# KiCad board SparkPNT_GPSDO.kicad_pcb (continued)
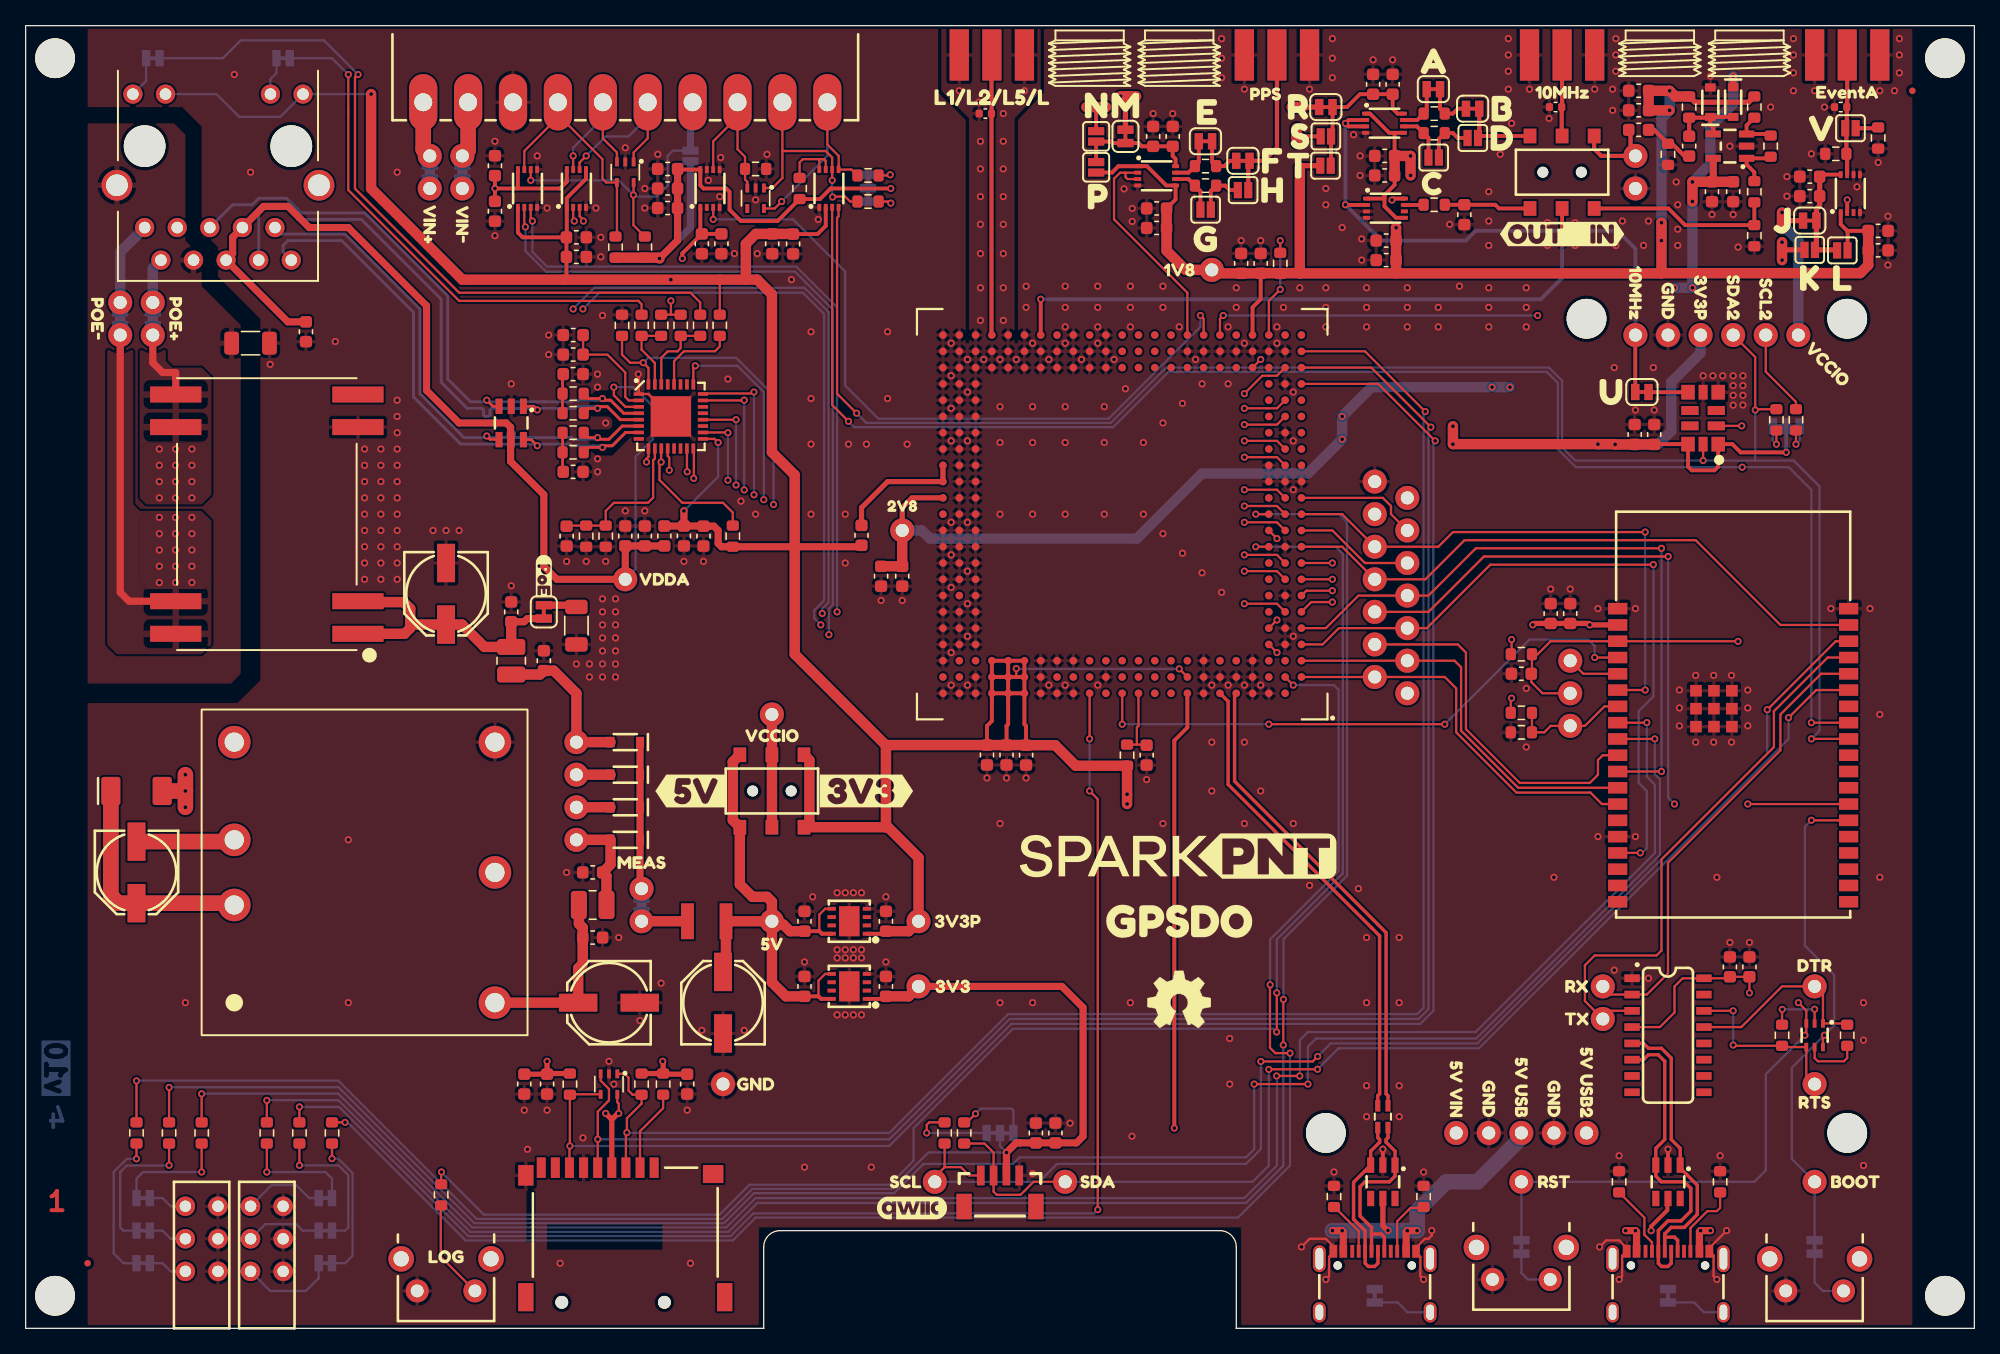
[diagram p0: board, top side]
## Nets (continued)
VIN_DC: C34.1 D9.A L3.2 TP2.1
VIN_POE: C38.1 D10.A L4.2 TP3.1
10MHz: TP33.1 U14.2 U15.2 U15.3 U.1.2
10MHz_1.8V: C55.1 R30.1 SW5.3
10MHz_IN: C75.1 SW5.4 TP42.1
10MHz_IN_1.8V: R58.1 R59.2 SW5.1
10MHz_IN_OUT: D17.2 J8.1 SW5.5
10MHz_OUT: B.1.2 D.1.2 SW5.6
CH340-~{DTR}: Q1.1 R2.2 TP38.1 U3.13
CH340-~{RTS}: Q1.4 R3.2 TP39.1 U3.14
DC_IN+: J9.10 JP2.1
DC_IN-: J9.9 JP3.1
ESP0/BOOT: JP11.2 Q1.6 TP36.1 U1.25
ESP1/CH340-RX: TP35.1 U1.35 U3.3
ESP3/CH340-TX: TP34.1 U1.34 U3.2
ESP4/MTX4: TP11.1 U1.26 U2.E3
ESP13/MTX1: TP13.1 U1.16 U2.D1
ESP14/MRX1: TP12.1 U1.13 U2.B1
ESP18/SDA2: R31.2 TP28.1 U1.30 U13.10 U18.4
ESP19/SCL2: R32.2 TP27.1 U1.31 U13.2 U18.3
ESP21/SDA: J7.3 R4.1 TP26.1 U1.33
ESP22/SCL: J7.4 R6.1 TP25.1 U1.36
ESP23/MRX3: TP16.1 U1.37 U2.K1
ESP25/MRX4: TP10.1 U1.10 U2.D3
ESP26/MCTS1: TP15.1 U1.11 U2.E1
ESP27/MRTS1: TP14.1 U1.12 U2.C1
ESP32/LED_ERROR: R12.2 U1.8
ESP33/LED_LOCK: R13.2 U1.9
ESP34/MTX3: TP17.1 U1.6 U2.M1
ESP35/DeviceSense: R7.2 R8.1 TP24.1 U1.7
ESP36/MRDY: U1.4 U2.A12
ESP_DM: D3.3 J4.A7 J4.B7 U3.6
ESP_DP: D3.1 J4.A6 J4.B6 U3.5
ESP_~{RST}: C8.1 JP10.2 Q1.3 R1.2 TP1.1 TP37.1 U1.3
ETH_CLK: U2.AA2 U4.9
ETH_MDC: U2.V2 U4.12
ETH_MDIO: R33.2 U2.W2 U4.11
ETH_RXD0: U2.R2 U4.16
ETH_RXD1: U2.T2 U4.15
ETH_RXDV: U2.N2 U4.18
ETH_RXER: U2.M2 U4.20
ETH_TXD0: U2.J2 U4.24
ETH_TXD1: U2.H2 U4.25
ETH_TXEN: U2.L2 U4.23
ETH_~{RST}: R24.1 U2.F2 U4.32
LED_LOG: R42.2 U2.B2
LED_PVT: R40.2 U2.A14
LED_RTK: R39.2 U2.M3
LINK: R18.1 R34.2 U4.30
LOG_BTN: R37.1 U2.K3
MCTS2: U2.J1 U9.3
MCTS2_I: D13.5 J9.4 JP15.1 R16.2 U9.6
MEventA_1V8: U2.AC6 U10.2
MEventB_1V8: U2.AC7 U12.3
MEventB_I: D14.3 J9.3 R44.1 U12.6
MOSAIC_DM: TR1.2 U2.A6
MOSAIC_DP: TR1.4 U2.A5
MOSAIC_RF_IN: D1.2 J1.1 U2.AC20
MPPS_1V8: U2.AC8 U16.2 U16.3
MRTS2: U2.G1 U8.3
MRTS2_O: D13.1 J9.5 U8.6
MRX2: U2.F1 U9.2
MRX2_I: D13.4 J9.7 R41.2 U9.7
MTX2: U2.H1 U8.2
MTX2_O: D13.3 J9.6 U8.7
POE+: J5.9 JP4.1
POE-: J5.10 JP5.1
RD+: D6.1 J5.3 R22.1 U4.5
RD-: D6.3 J5.6 R21.1 U4.4
REF_IN: SW5.2 U2.AC17
SCL2_IO: D14.1 J9.2 R55.1 U18.6
SD_CLK: D7.3 J6.5 U2.AA1
SD_CMD: D7.1 J6.3 R28.1 U2.AB1
SD_DATA: D7.4 J6.7 R29.1 U2.Y1
SDA2_IO: D14.5 J9.1 R54.1 U18.5
SPEED: R17.1 R35.2 U4.31
TD+: D6.6 J5.1 R19.2 U4.7
TD-: D6.4 J5.2 R20.2 U4.6
VANT: L1.2 U2.P23 U2.R23
VUSB: D2.5 D4.A J2.VBUS TP8.1 TP46.1 U2.A8
VUSB2: D3.5 D5.A J4.VBUS TP9.1 TP47.1
Net-(A.1-A): A.1.1 R46.2 U15.7
Net-(A.1-B): A.1.2 B.1.1 R46.1
Net-(C11-Pad2): C11.2 R19.1 R20.1
Net-(C12-Pad1): C12.1 R21.2 R22.2
Net-(C75-Pad2): C75.2 C76.1 R50.2
Net-(C.1-A): C.1.1 R49.2 U15.6
Net-(C.1-B): C.1.2 D.1.1 R49.1
Net-(D2-I/O1): D2.1 J2.A6 J2.B6 TR1.3
Net-(D2-I/O2): D2.3 J2.A7 J2.B7 TR1.1
Net-(D15-A2): D15.2 J3.1 R43.1 U10.7 V.1.2
Net-(E.1-A): E.1.1 R45.2 U16.7
Net-(E.1-B): E.1.2 F.1.1 R45.1
Net-(F.1-B): F.1.2 H.1.2 J12.1
Net-(G.1-A): G.1.1 R48.2 U16.6
Net-(G.1-B): G.1.2 H.1.1 R48.1
Net-(J2-CC1): J2.A5 R9.2
Net-(J2-CC2): J2.B5 R10.2
Net-(J2-SHIELD): J2.S JP8.2
Net-(J4-CC1): J4.A5 R15.2
Net-(J4-CC2): J4.B5 R14.2
Net-(J4-SHIELD): J4.S JP9.2
Net-(J5-GRN-): J5.14 JP13.1
Net-(J5-YLW-): J5.12 JP12.1
Net-(J6-DAT3/CD): J6.2 R27.1
Net-(J.1-A): C61.1 C63.1 J.1.1 K.1.1 L.1.1 U10.8
Net-(JP1-A): JP1.1 R6.2
Net-(JP1-B): JP1.3 R4.2
Net-(JP2-B): D8.A JP2.2
Net-(JP3-B): C35.2 JP3.2 U6.2
Net-(JP6-A): D4.C D5.C D9.C D10.C JP6.1
Net-(JP6-B): F1.2 JP6.2
Net-(JP7-A): JP7.1 R36.2
Net-(JP7-B): C36.1 C37.1 JP7.2 L4.1 U7.1 U7.2
Net-(JP10-A): JP10.1 SW1.2
Net-(JP11-A): JP11.1 SW2.2
Net-(JP12-B): JP12.2 R17.2
Net-(JP13-B): JP13.2 R18.2
Net-(JP14-A): JP14.1 R32.1
Net-(JP14-B): JP14.3 R31.1
Net-(JP16-A): JP16.1 R12.1
Net-(JP16-B): D11.ANODE_1 JP16.2
Net-(JP17-A): JP17.1 R13.1
Net-(JP17-B): D11.ANODE_2 JP17.2
Net-(JP18-A): JP18.1 R38.1
Net-(JP18-B): D11.ANODE_3 JP18.2
Net-(JP19-A): JP19.1 R39.1
Net-(JP19-B): D12.ANODE_1 JP19.2
Net-(JP20-A): JP20.1 R40.1
Net-(JP20-B): D12.ANODE_2 JP20.2
Net-(JP21-A): JP21.1 R42.1
Net-(JP21-B): D12.ANODE_3 JP21.2
Net-(JP22-A): JP22.1 R55.2
Net-(JP22-B): JP22.3 R54.2
Net-(M.1-A): C65.1 C67.1 M.1.1 N.1.1 P.1.1 U16.8
Net-(Q1A-B1): Q1.2 R3.1
Net-(Q1B-B2): Q1.5 R2.1
Net-(R37-Pad2): R37.2 SW3.2
Net-(R52-Pad1): R52.1 R58.2 U17.1
Net-(R.1-A): C49.1 C51.1 R.1.1 S.1.1 T.1.1 U15.8
Net-(U1-IA39): TP43.1 U1.5
Net-(U2-COM3_CTS): TP19.1 U2.N1
Net-(U2-COM3_RTS): TP18.1 U2.L1
Net-(U2-GPIO_1): TP20.1 U2.AA4
Net-(U2-GPIO_2): TP21.1 U2.L3
Net-(U2-SYNC): R5.1 U2.AC3
Net-(U2-~{RESET}): C3.2 R11.1 U2.A11
Net-(U4-COL/CONFIG0): R23.1 U4.28
Net-(U4-REXT): C15.1 R25.1 R26.1 U4.10
Net-(U4-VDDP_1.8): C13.1 C14.1 U4.2
Net-(U6-VIN+): C35.1 D8.C U6.1
Net-(U6-VOUT+): C32.1 C33.1 L3.1 TP45.1 U6.6
Net-(U14-1B): R30.2 U14.7
Net-(U17-+): R52.2 R57.2 U17.3
Net-(U17--): C76.2 D16.A D18.C R56.2 U17.4
Net-(U18-EN): R53.1 U18.7 U18.8
Net-(U.1-A): U13.6 U.1.1
Net-(V.1-A): R47.2 V.1.1

Pads without a net: D2 4 6; D3 4 6; D14 4; J2 A8 B8 NC1 NC2 NC3; J4 A8 B8 NC1 NC2 NC3; J5 8; J6 1 8 9 11 12 13; J7 NC1 NC2; SW1 M1 M2; SW2 M1 M2; SW3 M1 M2; U1 14 17 18 19 20 21 22 23 24 27 28 29 32; U2 A2 A9 A10 A13 AA3 AA5 AA6 AA7 AA8 AA9 AA10 AA11 AA12 AB9 AB10 AB11 AB12 AC1 AC2 AC5 AC9 AC10 AC11 AC12 AC14 AC16 B3 B9 B10 B11 B12 B14 B15 B16 B22 B23 C2 C3 C5 C6 C8 C9 C10 C11 C12 C13 C14 C21 C22 F3 G3 G22 H3 J3 M23 N3 R1 T1 T3 U1 U3 V1 V3 W1 W3 Y3; U3 7 8 9 10 11 12 15; U4 8 13 14 19 21 22 26 27 29; U5 2 3 6 7; U6 3 5; U7 4; U10 3; U11 2 3 6 7; U12 2; U13 3 7 8; U14 6

## Via types
v1: diameter 0.56, hole 0.3, Top to Bottom, 692 vias

## Routing (per net, layer and track width the routed paths; a pad name or vN(x,y) marks a point on that pad's centre or on a via; arc(x,y) is an arc through that point)
1.8V: length 194.1
  Top w0.305: 52.71,85.36 54.23,85.36 ; 52.71,85.36 52.59,85.47 U12.1 ; 52.71,85.36 51.19,83.83 v1(51.19,83.44) ; U14.8 106.62,88.11 v1(106.51,88) ; 92.84,82.55 TP22.1 ; P.1.2 84.69,90.14 85.18,90.64 U16.1 87.02,90.64 87.04,90.65 87.4,90.65 88.91,89.14 U16.5 89.64,88.05 C66.1 ; 141.99,85.6 C62.1 ; 141.99,85.6 141.48,86.11 U10.1 ; 141.99,85.6 142.02,85.57 L.1.2 ; C19.1 96.27,80.26 95.64,79.63 U2.AC4
  Top w0.406: 99.32,90.55 99.44,90.68 T.1.2 ; R57.1 134.31,95.63 130.12,95.63 R56.1
  Top w0.813: 106.81,82.28 99.34,82.28 99.32,82.3 ; 106.81,82.28 127.49,82.28 127.51,82.3 ; 106.81,82.28 106.82,82.29 C68.1 C52.1 v1(106.82,85.84) 106.81,85.85 ; 99.32,82.3 97.86,82.3 R5.2 97.73,82.3 96.28,82.3 C19.1 C18.1 92.73,82.28 TP22.1 90.43,82.55 88.94,84.04 C64.1 C66.1 ; 99.32,82.3 99.32,90.55 ; 127.51,82.3 143.01,82.3 143.63,82.92 C59.1 C62.1 ; 127.51,82.3 v1(127.51,86.23) ; v1(128.15,95) C72.1 C69.1 v1(128.15,96.52) 128.59,96.08 R56.1
  In2.Cu w0.305: v1(51.19,83.44) 52.07,82.55 56.77,82.55 58.3,81.03 58.3,70.87 59.31,69.85 86.62,69.85 92.46,75.69 TP22.1
  In2.Cu w0.813: v1(106.82,85.84) 106.51,86.16 v1(106.51,88)
  Bottom w0.813: v1(128.15,96.52) v1(128.15,95) 127.51,94.36 v1(127.51,86.23) v1(127.51,84.84)
2.8V: length 177.3
  Top w0.305: N.1.2 83.44,95.25 ; S.1.2 99.06,92.96
  Top w0.406: U2.N23 69.09,64.77 68.33,64.01 TP41.1 ; v1(136.91,84.71) 136.91,84.11 K.1.2
  Top w0.559: U17.5 131.55,89.52 C70.1 ; v1(133.1,97.66) D16.C
  Top w0.813: C73.1 C74.1 TP41.1 ; v1(82.68,95.25) v1(84.21,95.25) ; C71.1 C70.1 129.94,89.42 v1(129.93,89.41) v1(129.93,87.88) ; v1(136.91,84.71) v1(136.91,83.31) ; v1(99.06,93.6) v1(99.06,92.46)
  In2.Cu w0.813: v1(136.91,84.71) v1(136.91,83.31) 135.89,82.3 131.07,82.3 v1(129.93,81.15) v1(128.53,81.15) 127.38,82.3 116.85,82.3 115.7,81.15 v1(115.7,73.41) v1(114.3,73.41) ; v1(102.62,69.34) v1(102.62,71.12) 102.62,83.06 99.06,86.61 v1(99.06,92.46) v1(99.06,93.6) 85.98,93.6 84.33,95.25 83.44,95.25 ; 83.44,95.25 v1(84.21,95.25) ; 83.44,95.25 v1(82.68,95.25)
  Bottom w0.813: v1(133.1,97.66) 133.1,95.5 131.32,93.73 131.32,90.81 v1(129.93,89.41) v1(129.93,81.15) v1(128.53,81.15) ; v1(115.7,73.41) 104.91,73.41 v1(102.62,71.12) v1(102.62,69.34) 99.95,66.68 91.7,66.68 86.62,61.59 70.49,61.59 69.85,62.23 TP41.1
3.3V: length 235.9
  Top w0.178: R1.1 115.83,52.64 v1(115.83,53.72) ; v1(115.83,49.15) 115.77,49.09 R7.1 ; R38.2 v1(8.64,19.3) ; U3.4 127.39,23.5 128.53,24.64 128.53,26.67 129.16,27.31 U3.16 132.73,27.31 132.85,27.42 134.37,27.42 v1(134.37,26.16)
  Top w0.305: 67.06,25.9 66.86,25.7 U11.1
  Top w0.406: U1.2 121.93,54.86 v1(121.92,54.86) 121.81,54.98 C1.1 C2.1 117.59,54.98 v1(117.48,54.86)
  Top w0.559: TP5.1 80.78,26.67 82.43,25.02 82.43,14.99 81.91,14.47 C60.1 C54.1 77.49,14.47 77.47,14.48 77.22,14.48 v1(76.46,13.72) 76.45,13.71 J7.2
  Top w0.813: 67.06,25.9 68.83,25.9 TP5.1
  In2.Cu w0.813: 115.83,30.23 114.05,28.45 71.38,28.45 TP5.1 ; 115.83,30.23 130.31,30.23 v1(134.37,26.16) ; 115.83,30.23 v1(115.83,53.72) 116.97,54.86 v1(117.48,54.86) v1(121.92,54.86)
  Bottom w0.178: JP1.2 75.95,14.22 v1(76.46,13.72) 70.36,13.72 67.52,10.87 56.64,10.87 54.3,8.53 35.16,8.53 24.37,19.32 8.65,19.32 v1(8.64,19.3)
3.3V_P: length 444.3
  Top w0.178: D7.5 46.12,17.64 46.23,17.53 v1(46.23,16.76) ; 42.16,87.4 U8.1 ; 50.3,79.06 R34.1 ; 50.3,79.06 R35.1 ; 50.3,79.06 v1(50.3,80.14) ; 126.97,68.96 C48.1 ; R23.2 54.11,81.79 ; 49.69,20.8 v1(49.66,20.83) ; v1(77.22,51.46) 77.22,50.8 ; v1(53.98,69.09) 53.7,69.37 U4.17 ; 42.16,82.03 41.91,81.79 ; U2.B8 v1(89.92,51.44) ; 49.74,19.83 R27.2
  Top w0.305: U2.B19 U2.B20 ; U2.B19 U2.A19 ; U2.B19 U2.C19 ; U2.B19 U2.B18 ; U2.B20 U2.C20 U2.C19 ; U2.B20 U2.A20 ; U2.A18 U2.A19 ; U2.A18 U2.B18 ; U2.A18 77.86,47.12 77.98,46.99 C29.1 ; U2.A19 U2.A20 ; U2.A19 76.59,47.12 76.46,46.99 C17.1 ; U9.1 38.37,85.46 38.74,85.09 C39.1 ; 106.68,93.24 106.71,93.22 C50.1 ; 106.68,93.24 U15.5 ; 106.68,93.24 106.29,93.24 104.79,94.74 U15.1 ; 105.92,88.14 105.9,88.11 U14.1 ; 105.92,88.14 105.92,87.5 106.81,86.61 U14.5 ; 105.92,88.14 105.92,88.39 106.71,89.18 C24.1 ; U18.2 62.37,85.98 61.73,85.34 C57.1 ; U2.B18 U2.C18 U2.C19 ; U8.5 43.68,89.65 42.18,88.15 U8.1 42.18,85.12 C39.1 ; C39.1 C40.1 42.16,82.03 ; 126.97,68.96 U13.9 129.58,67.21 129.87,66.92 131.65,66.92 131.93,67.21 U13.1 133.04,68.96 133.68,68.32 v1(137.23,68.32) ; U2.A20 75.31,47.37 74.93,46.99 C16.1 ; 67.06,30.98 66.86,30.78 U5.1
  Top w0.406: 49.69,20.8 R27.2 R28.2 ; v1(46.23,16.76) 46.16,16.76 45.69,16.29 ; R29.2 40.69,19.88 C30.1 ; C28.1 C30.1 ; C30.1 v1(40.64,20.83) ; C31.1 49.74,19.83 ; 45.69,16.29 v1(45.22,16.76) ; 45.69,16.29 J6.4
  Top w0.559: C23.1 52.82,62.57 C25.1 53.65,62.56 53.98,62.23 53.98,61.21 54.23,60.96 R33.1 65.04,60.96 L1.1 ; C23.1 L2.2 ; C23.1 v1(51.31,63.75)
  Top w0.813: 67.06,30.98 68.83,30.98 TP7.1 69.6,36.7 67.22,39.09 67.03,39.09 ; v1(107.95,89.92) v1(107.95,91.44) C50.1 C24.1 ; 56.14,81.79 56.14,84.58 56.91,85.36 59.81,85.36 C57.1 ; 56.14,81.79 34.04,81.79 26.93,88.9 v1(26.93,96.27) ; 56.14,81.79 57.03,81.79 58.17,80.65 58.17,68.33 59.95,66.55 59.95,52.58 67.03,45.49 67.06,45.49 ; C48.1 C47.1 v1(123.9,68.94) ; 67.03,39.09 67.06,39.12 67.06,45.49 ; 67.03,39.09 SW4.1 61.09,39.51 61.09,44.31 SW4.4 ; v1(123.9,68.94) 123.88,68.96 v1(122.56,68.96) v1(111.26,68.96) v1(111.26,70.36) ; v1(123.9,68.94) 123.89,68.95 ; 67.06,45.49 C16.1 C17.1 77.97,45.49 C29.1 80.25,45.48 81.86,43.88 R11.2 v1(85.86,41.66) v1(85.86,40.89) ; 129.56,68.94 U13.9
  In2.Cu w0.178: v1(50.3,80.14) v1(50.3,81.79)
  In2.Cu w0.813: v1(107.95,89.92) v1(107.95,91.44) ; v1(107.95,89.92) 107.95,83.69 111.26,80.39 v1(111.26,70.36) v1(111.26,68.96) 111.26,53.09 TP29.1 102.11,43.94 91.57,43.94 88.52,40.89 v1(85.86,40.89) v1(85.86,41.66) ; v1(107.95,89.92) 107.95,89.53 ; v1(40.64,20.83) 44.71,16.76 v1(45.22,16.76) v1(46.23,16.76) 46.99,16.76 49.66,19.43 v1(49.66,20.83) 49.66,24.77 54.61,29.72 59.95,29.72 61.98,31.75 TP7.1
  Bottom w0.178: v1(51.31,63.75) 53.98,66.42 v1(53.98,69.09) ; v1(26.93,96.27) 26.92,96.26 J5.11 19.85,94.49 16.64,94.49 14.87,96.26 J5.13 ; v1(89.92,51.44) 77.25,51.44 v1(77.22,51.46)
  Bottom w0.305: v1(137.23,68.32) JP14.2
  Bottom w0.813: TP31.1 130.56,76.07 128.27,73.79 128.27,69.98 127.24,68.94 v1(123.9,68.94) 122.58,68.94 v1(122.56,68.96)
5V: length 42.7
  Top w0.178: 61.87,30.98 61.87,32.27 62.32,32.73 U5.5 ; U11.5 62.32,27.65 61.8,27.13 61.8,25.9
  Top w0.305: 60.71,25.9 61.8,25.9 62,25.7 U11.8 ; U5.8 62.07,30.78 61.87,30.98 60.71,30.98
  Top w0.813: TP4.1 F1.1 54.59,28.03 C6.1 ; TP4.1 58.17,26.99 59.26,25.9 60.71,25.9 ; TP4.1 58.17,33.27 57.79,33.66 56.65,33.66 55.67,34.63 SW4.3 55.12,39.63 55.12,44.19 SW4.6 ; TP4.1 58.42,31.5 59.06,31.5 59.58,30.98 60.71,30.98
GND: length 27.7
  Top w0.178: v1(131.83,3.81) 131.57,4.07 131.57,5.68 J4.GND 131.25,6.27 v1(132.59,7.62) ; v1(47.76,74.42) 47.8,74.38 U4.1 48.55,72.87 U4.EP ; v1(124.21,3.81) 124.44,4.04 124.44,5.66 J4.GND 124.8,6.27 124.21,6.86 123.19,6.86 v1(122.69,6.35) ; v1(109.61,7.62) 109.61,7.24 109.35,6.99 109.07,6.99 108.39,6.3 108.39,5.92 108.72,5.59 108.72,4.06 v1(108.97,3.81) ; v1(99.44,6.35) 100.08,6.99 101.35,6.99 101.94,6.4 J2.GND 101.94,5.92 101.6,5.59 101.6,4.06 v1(101.35,3.81)
  Top w0.305: D3.2 v1(128.02,13.97) ; D2.2 v1(105.8,13.97)
  vias: v1(12.45,25.4) v1(16.26,97.79) v1(17.53,90.17) v1(19.05,75.18) v1(24.13,76.96) v1(25.15,38.1) v1(25.15,25.4) v1(26.42,68.58) v1(26.42,67.31) v1(26.42,66.04) v1(26.42,64.77) v1(26.42,63.5) v1(26.42,62.23) v1(26.42,60.96) v1(26.42,59.69) v1(26.42,58.42) v1(27.69,68.58) v1(27.69,67.31) v1(27.69,66.04) v1(27.69,64.77) v1(27.69,63.5) v1(27.69,62.23) v1(27.69,60.96) v1(27.69,59.69) v1(27.69,58.42) v1(28.96,90.17) v1(28.96,72.39) v1(28.96,71.12) v1(28.96,69.85) v1(28.96,68.58) v1(28.96,67.31) v1(28.96,66.04) v1(28.96,64.77) v1(28.96,63.5) v1(28.96,62.23) v1(28.96,60.96) v1(28.96,59.69) v1(28.96,58.42) v1(31.75,62.23) v1(32.77,62.23) v1(33.79,62.23) v1(36.58,92.58) v1(36.58,85.22) v1(37.85,73.66) v1(37.85,57.91) v1(38.87,17.02) v1(39.12,13.97) v1(39.88,91.44) v1(40.64,87.38) v1(40.64,17.02) v1(40.77,77.47) v1(40.77,75.95) v1(41.66,5.08) v1(42.17,59.82) v1(42.17,35.56) v1(42.93,51.82) v1(43.44,14.86) v1(43.69,59.82) v1(43.95,51.82) v1(43.95,50.8) v1(44.45,87.38) v1(44.58,74.42) v1(44.58,73.41) v1(44.58,67.82) v1(44.58,66.8) v1(44.84,85.09) v1(44.84,83.57) v1(44.96,78.99) v1(44.96,56.9) v1(44.96,55.88) v1(44.96,54.86) v1(44.96,53.85) v1(44.96,52.83) v1(44.96,51.82) v1(44.96,50.8) v1(45.22,70.61) v1(45.22,59.82) v1(45.47,20.83) v1(45.85,19.05) v1(45.98,56.9) v1(45.98,55.88) v1(45.98,54.86) v1(45.98,53.85) v1(45.98,52.83) v1(45.98,51.82) v1(45.98,50.8) v1(46.23,30.48) v1(46.74,92.08) v1(46.74,63.75) v1(47.88,24) v1(48.26,88.9) v1(48.26,87.38) v1(48.26,63.75) v1(49.28,91.57) v1(49.53,26.92) v1(51.31,59.82) v1(51.57,17.02) v1(51.82,5.08) v1(52.71,23.24) v1(52.84,59.82) v1(53.22,89.53) v1(54.18,91.31) v1(54.11,88.27) v1(54.74,74.04) v1(55.25,83.82) v1(55.76,64.52) v1(56.01,23.24) v1(56.9,88.01) v1(56.9,63.5) v1(57.03,83.82) v1(57.79,91.57) v1(59.69,81.79) v1(60.71,28.58) v1(60.71,12.57) v1(61.22,77.72) v1(61.22,72.52) v1(61.22,68.96) v1(61.22,63.5) v1(61.34,33.66) v1(61.78,86.49) v1(63.25,33.97) v1(63.25,29.53) v1(63.25,28.89) v1(63.25,24.45) v1(63.89,63.5) v1(63.89,59.69) v1(63.89,33.97) v1(63.89,29.53) v1(63.89,28.89) v1(63.89,24.45) v1(64.14,68.96) v1(64.52,33.97) v1(64.52,29.53) v1(64.52,28.89) v1(64.52,24.45) v1(65.16,33.97) v1(65.16,29.53) v1(65.16,28.89) v1(65.16,24.45) v1(65.54,68.96) v1(65.92,12.57) v1(66.68,56.77) v1(67.06,33.66) v1(67.06,28.58) v1(67.19,77.72) v1(67.19,72.52) v1(68.33,56.77) v1(68.71,68.96) v1(72.14,76.84) v1(72.14,74.3) v1(72.14,71.76) v1(72.14,69.22) v1(72.14,62.87) v1(72.14,60.33) v1(72.14,57.79) v1(72.14,52.71) v1(72.14,50.17) v1(72.78,96.52) v1(73.41,75.57) v1(73.41,73.03) v1(73.41,69.22) v1(73.41,62.87) v1(73.41,59.06) v1(73.41,56.52) v1(73.41,53.98) v1(73.41,50.17) v1(74.3,95.63) v1(74.43,92.58) v1(74.43,90.42) v1(74.43,88.27) v1(74.43,86.11) v1(74.43,83.82) v1(74.43,81.15) v1(74.43,78.61) v1(74.68,75.57) v1(74.93,42.93) v1(75.95,75.57) v1(75.95,71.88) v1(75.95,69.09) v1(75.95,63.5) v1(75.95,39.37) v1(75.95,25.4) v1(76.2,94.74) v1(76.2,92.58) v1(76.2,90.42) v1(76.2,88.27) v1(76.2,86.11) v1(76.2,83.82) v1(76.2,81.15) v1(76.2,78.61) v1(76.46,42.93) v1(77.22,75.57) v1(77.86,96.52) v1(77.98,81.28) v1(77.98,79.63) v1(77.98,42.93) v1(78.49,76.84) v1(78.49,71.88) v1(78.49,69.09) v1(78.49,63.5) v1(78.49,25.4) v1(78.49,12.06) v1(79.76,75.57) v1(79.76,50.17) v1(81.03,81.28) v1(81.03,79.63) v1(81.03,78.11) v1(81.03,76.84) v1(81.03,71.88) v1(81.03,69.09) v1(81.03,63.5) v1(81.03,50.17) v1(81.41,16) v1(82.3,75.57) v1(83.57,81.28) v1(83.57,79.63) v1(83.57,78.11) v1(83.57,76.84) v1(83.57,50.17) v1(84.08,71.88) v1(84.08,69.09) v1(84.08,63.5) v1(84.84,75.57) v1(85.62,88.87) v1(85.73,73.28) v1(86.11,81.28) v1(86.11,79.63) v1(86.11,78.11) v1(86.11,25.4) v1(86.25,87.34) v1(86.25,86.33) v1(86.24,14.99) v1(87.13,69.09) v1(87.13,63.5) v1(87.38,42.8) v1(87.89,94.74) v1(88.65,81.28) v1(88.65,79.63) v1(88.65,70.61) v1(88.65,61.98) v1(88.65,39.37) v1(88.65,25.4) v1(89.41,94.74) v1(89.92,78.11) v1(90.17,72.14) v1(90.17,60.45) v1(91.19,75.57) v1(91.7,73.66) v1(91.7,58.93) v1(92.46,50.17) v1(92.46,45.72) v1(92.46,41.91) v1(93.22,100.58) v1(93.22,99.06) v1(93.22,97.54) v1(93.22,57.4) v1(93.73,78.11) v1(93.73,73.66) v1(93.73,50.17) v1(93.86,22.61) v1(93.86,19.05) v1(94.37,81.15) v1(94.37,79.63) v1(94.75,84.84) v1(95,96.65) v1(95,76.84) v1(95,50.17) v1(95,45.72) v1(95,39.37) v1(96.27,84.84) v1(96.27,50.17) v1(96.27,41.91) v1(97.54,78.11) v1(97.54,76.84) v1(98.05,79.63) v1(98.81,73.03) v1(98.81,69.22) v1(98.81,65.41) v1(98.81,53.98) v1(98.81,39.37) v1(99.32,81.15) v1(100.08,96.65) v1(100.08,34.54) v1(101.35,88.9) v1(101.35,87.63) v1(101.35,81.15) v1(101.35,79.63) v1(101.35,78.11) v1(101.86,100.58) v1(101.86,99.06) v1(101.86,97.54) v1(101.99,12.19) v1(102.62,85.85) v1(103.51,93.09) v1(103.89,34.29) v1(104.02,91.44) v1(104.02,89.92) v1(104.14,84.96) v1(104.14,83.31) v1(104.53,81.15) v1(104.53,79.63) v1(104.53,78.11) v1(104.53,30.48) v1(104.53,25.4) v1(104.53,18.92) v1(104.53,16.51) v1(105.03,98.93) v1(106.56,98.93) v1(107.06,30.48) v1(107.06,25.4) v1(107.06,18.92) v1(107.06,16.51) v1(107.7,81.15) v1(107.7,79.63) v1(107.7,78.11) v1(108.97,12.19) v1(110.11,79.63) v1(110.11,78.11) v1(111,86.11) v1(111.76,81.28) v1(114.05,88.65) v1(114.05,86.36) v1(114.05,84.46) v1(114.05,81.15) v1(114.05,79.63) v1(114.05,78.11) v1(114.94,91.57) v1(115.57,100.58) v1(115.57,99.31) v1(115.57,98.04) v1(115.57,96.65) v1(115.83,93.98) v1(116.97,81.15) v1(116.97,79.63) v1(116.97,78.11) v1(116.97,49.91) v1(116.97,45.34) v1(117.22,96.65) v1(118.62,86.23) v1(118.62,84.46) v1(118.75,94.36) v1(118.88,57.66) v1(119.13,35.18) v1(120.4,57.66) v1(120.78,86.23) v1(120.78,84.46) v1(122.31,96.65) v1(122.56,56.13) v1(122.56,38.35) v1(123.7,96.65) v1(123.7,95) v1(123.83,74.93) v1(123.83,27.94) v1(123.96,100.58) v1(123.96,99.31) v1(123.96,98.04) v1(123.96,84.46) v1(124.21,13.46) v1(124.46,86.36) v1(125.48,71.62) v1(125.48,56.13) v1(125.48,38.35) v1(126.12,84.46) v1(126.5,86.36) v1(126.5,27.31) v1(126.88,74.93) v1(126.95,71.62) v1(128.66,89.41) v1(128.78,87.63) v1(128.78,85.73) v1(128.78,84.46) v1(128.91,49.78) v1(128.91,48.39) v1(128.91,46.99) v1(130.18,50.93) v1(130.18,45.72) v1(130.76,74.29) v1(131.32,97.66) v1(131.45,86.87) v1(131.52,74.29) v1(131.58,50.93) v1(131.58,45.72) v1(131.83,35.18) v1(132.08,13.46) v1(132.28,74.29) v1(132.85,92.2) v1(132.85,30.1) v1(132.97,50.93) v1(132.97,45.72) v1(133.1,86.87) v1(133.1,74.29) v1(133.1,73.53) v1(133.1,72.77) v1(133.1,72) v1(133.48,84.33) v1(133.86,74.29) v1(133.86,73.53) v1(133.86,72.76) v1(133.86,72.01) v1(134.24,49.78) v1(134.24,48.39) v1(134.24,46.99) v1(134.37,30.1) v1(136.02,95.25) v1(137.29,89.83) v1(137.29,88.3) v1(137.8,100.58) v1(137.8,99.31) v1(137.8,97.92) v1(137.8,96.52) v1(139.2,91.6) v1(139.45,96.52) v1(140.21,95.25) v1(140.72,56.13) v1(142.75,89.03) v1(143.26,25.4) v1(143.26,22.48) v1(143.26,12.7) v1(143.77,56.13) v1(144.4,90.93) v1(144.53,96.52) v1(144.53,47.88) v1(144.53,35.18) v1(145.16,86.74) v1(145.16,82.93) v1(145.67,96.52) v1(146.05,100.58) v1(146.05,99.31) v1(146.05,97.92)
VCCIO: length 307.7
  Top w0.178: 38.37,88.91 38.36,88.9
  Top w0.305: C45.1 50.87,90.38 U12.8 52.59,89.14 52.84,88.9 54.61,88.9 54.87,88.65 54.87,87.25 55.76,86.36 58.61,86.36 R53.2 61.92,88.08 62.74,88.9 v1(67.44,88.9) ; U9.8 38.37,88.91 ; U8.8 42.18,89.42 41.66,88.9 v1(36.58,88.9) ; v1(36.58,88.9) C41.1 ; v1(36.58,88.9) C42.1
  Top w0.406: 136.91,86.4 J.1.2 ; 85.98,96.09 85.73,95.83 M.1.2 ; R.1.2 v1(99.57,95.25)
  Top w0.559: C45.1 C46.1 C53.1 50.82,84.85 v1(49.41,83.44)
  Top w0.813: SW4.2 SW4.5 TP40.1 ; v1(98.68,95.25) v1(99.57,95.25) ; v1(86.57,96.09) v1(85.35,96.09) ; v1(136.91,87.03) v1(136.91,85.74) ; R41.1 R16.1 49.34,83.5 v1(49.41,83.44)
  In2.Cu w0.559: v1(49.41,83.44) 49.41,84.58 45.72,88.27 37.22,88.27 v1(36.58,88.9)
  In2.Cu w0.813: 112.78,83.44 112.78,41.15 109.73,38.1 67.95,38.1 TP40.1 58.17,60.33 53.6,64.9 48.52,64.9 47.12,66.29 47.12,67.69 49.41,69.98 v1(49.41,83.44) ; 112.78,83.44 110.62,83.44 109.61,84.46 109.61,93.6 107.95,95.25 91.98,95.25 91.14,96.09 v1(86.57,96.09) v1(85.35,96.09) ; 112.78,83.44 135.26,83.44 135.77,83.95 135.77,84.93 136.57,85.74 v1(136.91,85.74) v1(136.91,87.03)
  Bottom w0.178: JP22.2 67.42,88.93 v1(67.44,88.9)
  Bottom w0.559: v1(49.41,83.44) 51.82,85.85 JP15.2
  Bottom w0.813: TP48.1 138.18,84.84 137.28,85.74 v1(136.91,85.74) v1(136.91,87.03)
VDDA: length 89.2
  Top w0.178: U4.3 46.75,71.87 45.85,72.77 v1(45.85,73.41)
  Top w0.559: 49.79,61.02 46.74,61.02 TP23.1 41.41,58.42 40.39,59.44 40.39,65.02 37.8,67.61 37.8,70.28 37.47,70.61 33.79,70.61 31.25,73.15 31.25,79.76 25.15,85.85 22.1,85.85 20.45,87.5 18.55,87.5 J5.4 16.13,85.09 16.13,83.82 J5.5 20.44,78.5 C10.1
  Bottom w0.178: TP23.1 47.54,59.22 47.54,67.98 48.9,69.34 48.9,71.88 47.38,73.41 v1(45.85,73.41)
VIN+: length 6
  Top w0.559: U7.5 11.7,74.16 11.69,74.17 11.69,74.55 10.67,74.55 9.91,75.31 JP4.2
  vias: v1(10.42,68.58) v1(10.42,67.31) v1(10.42,66.04) v1(10.42,64.77) v1(11.69,68.58) v1(11.69,67.31) v1(11.69,66.04) v1(11.69,64.77) v1(12.96,68.58) v1(12.96,67.31) v1(12.96,66.04) v1(12.96,64.77)
VIN-: length 24.7
  Top w0.559: JP5.2 7.37,57.4 8.06,56.71 U7.7
  vias: v1(10.42,63.25) v1(10.42,61.98) v1(10.42,60.71) v1(10.42,59.44) v1(10.42,58.17) v1(11.69,63.25) v1(11.69,61.98) v1(11.69,60.71) v1(11.69,59.44) v1(11.69,58.17) v1(12.96,63.25) v1(12.96,61.98) v1(12.96,60.71) v1(12.96,59.44) v1(12.96,58.17)
VIN_DC: length 8.1
  Top w0.813: TP2.1 D9.A 45.59,36.18 44.97,35.56 45.28,35.26 L3.2
VIN_POE: length 12.4
  Top w0.813: D10.A TP3.1 42.93,49.53 41.16,51.3 C38.1 40.09,51 L4.2
10MHz: length 47.2
  Top w0.305: v1(102.87,87.63) 102.89,87.61 U14.2 ; TP33.1 125.47,77.46 U.1.2 ; U15.2 103.14,94.24 v1(102.87,93.98) 103.11,93.74 U15.3
  Bottom w0.305: TP33.1 125.48,84.2 124.08,85.6 113.03,85.6 112.27,84.84 105.67,84.84 v1(102.87,87.63) v1(102.87,93.98)
10MHz_1.8V: length 6.8
  Top w0.305: R30.1 C55.1 114.56,87.63 114.84,87.34 117.27,87.34
10MHz_IN: length 7.1
  Top w0.305: 122.27,92.99 SW5.4 ; TP42.1 125.23,91.69
  Top w0.33: SW5.4 122.27,91.99 122.81,91.44 TP42.1 125.1,91.82 125.1,93.33 C75.1
10MHz_IN_1.8V: length 14.8
  Top w0.305: 122.27,87.34 128.05,87.34 129.35,86.04 R59.2 R58.1
10MHz_IN_OUT: length 6.5
  Top w0.33: 119.64,99.19 J8.1 119.77,95.28 D17.2 119.74,93.02 SW5.5
10MHz_OUT: length 6.7
  Top w0.305: D.1.2 113.37,93 SW5.6 117.11,92.84
  Top w0.33: D.1.2 113.31,92.94 B.1.2
CH340-~{DTR}: length 15
  Top w0.178: R2.2 141.9,23.78 Q1.1 140.1,26.02 TP38.1 136.91,26.67 133.74,23.5 U3.13
CH340-~{RTS}: length 13.9
  Top w0.178: v1(133.1,22.1) 133.16,22.03 136.91,22.03 137,21.94 Q1.4 138.8,19.7 TP39.1 ; 130.82,24.77 v1(133.1,24.77)
  Bottom w0.178: v1(133.1,24.77) v1(133.1,22.1)
DC_IN+: length 4.4
  Top w1.219: JP2.1 30.99,91.95 J9.10
DC_IN-: length 4.4
  Top w1.219: JP3.1 34.49,91.89 J9.9
ESP0/BOOT: length 39.9
  Top w0.178: U1.25 139.2,39.62 v1(139.2,39.62) ; Q1.6 140.1,22.75 v1(140.21,22.86)
  Bottom w0.178: JP11.2 TP36.1 137.67,13.21 137.67,20.32 v1(140.21,22.86) 140.97,23.62 140.97,27.56 138.69,29.84 138.69,39.12 v1(139.2,39.62)
ESP1/CH340-RX: length 43.6
  Top w0.178: U1.35 140.46,52.32 136.28,48.13 136.28,45.34 127.51,36.58 127.51,29.46 127.13,29.08 122.31,29.08 121.54,28.32 121.54,25.53 TP35.1 123.58,24.77 125.22,24.77
ESP3/CH340-TX: length 36.5
  Top w0.178: TP34.1 123.58,26.04 U3.2 126.37,26.04 128.02,27.69 128.02,36.32 136.78,45.09 136.78,47.88 139.95,51.05 U1.34
ESP4/MTX4: length 66.5
  Top w0.178: v1(128.03,60.2) 113.67,60.2 109.35,55.88 TP11.1 ; v1(134.24,40.89) 134.25,40.89 U1.26 ; U2.E3 v1(97.54,55.25)
  In2.Cu w0.178: TP11.1 101.6,55.88 100.97,55.25 v1(97.54,55.25) ; v1(134.24,40.89) v1(128.53,40.89)
  Bottom w0.178: v1(128.53,40.89) 128.03,41.39 v1(128.03,60.2)
ESP13/MTX1: length 55.3
  Top w0.178: U1.16 124.11,37.08 v1(125.86,37.08) ; U2.D1 101.1,53.34 102.37,54.61 TP13.1 109.22,54.61 114.18,59.56 v1(126.88,59.56)
  Bottom w0.178: v1(126.88,59.56) 126.89,59.55 126.89,49.29 125.73,48.13 125.73,42.55 126.37,41.91 126.37,37.47 125.99,37.08 v1(125.86,37.08)
ESP14/MRX1: length 30.8
  Top w0.178: U1.13 122.87,40.89 121.98,41.78 116.21,41.78 111.51,46.48 111.51,49.91 110.62,50.8 TP12.1 U2.B1
ESP18/SDA2: length 137.1
  Top w0.178: v1(64.77,71.37) 63.25,72.9 63.25,86.61 63.37,86.73 U18.4 ; R31.2 134.88,71.68 v1(134.82,71.62) 134.82,75.75 TP28.1 ; U13.10 v1(130.76,67.68) ; v1(139.2,45.97) 142.09,45.97 U1.30
  Bottom w0.178: v1(134.82,71.62) 134.82,67.68 ; 134.82,67.68 v1(130.76,67.68) 120.79,67.68 119.77,68.71 119.77,73.91 118.75,74.93 88.9,74.93 84.59,70.61 65.54,70.61 v1(64.77,71.37) ; 134.82,67.68 137.81,67.68 139.83,65.66 139.83,46.61 v1(139.2,45.97)